# KiCad board cell-sim.kicad_pcb (continued)
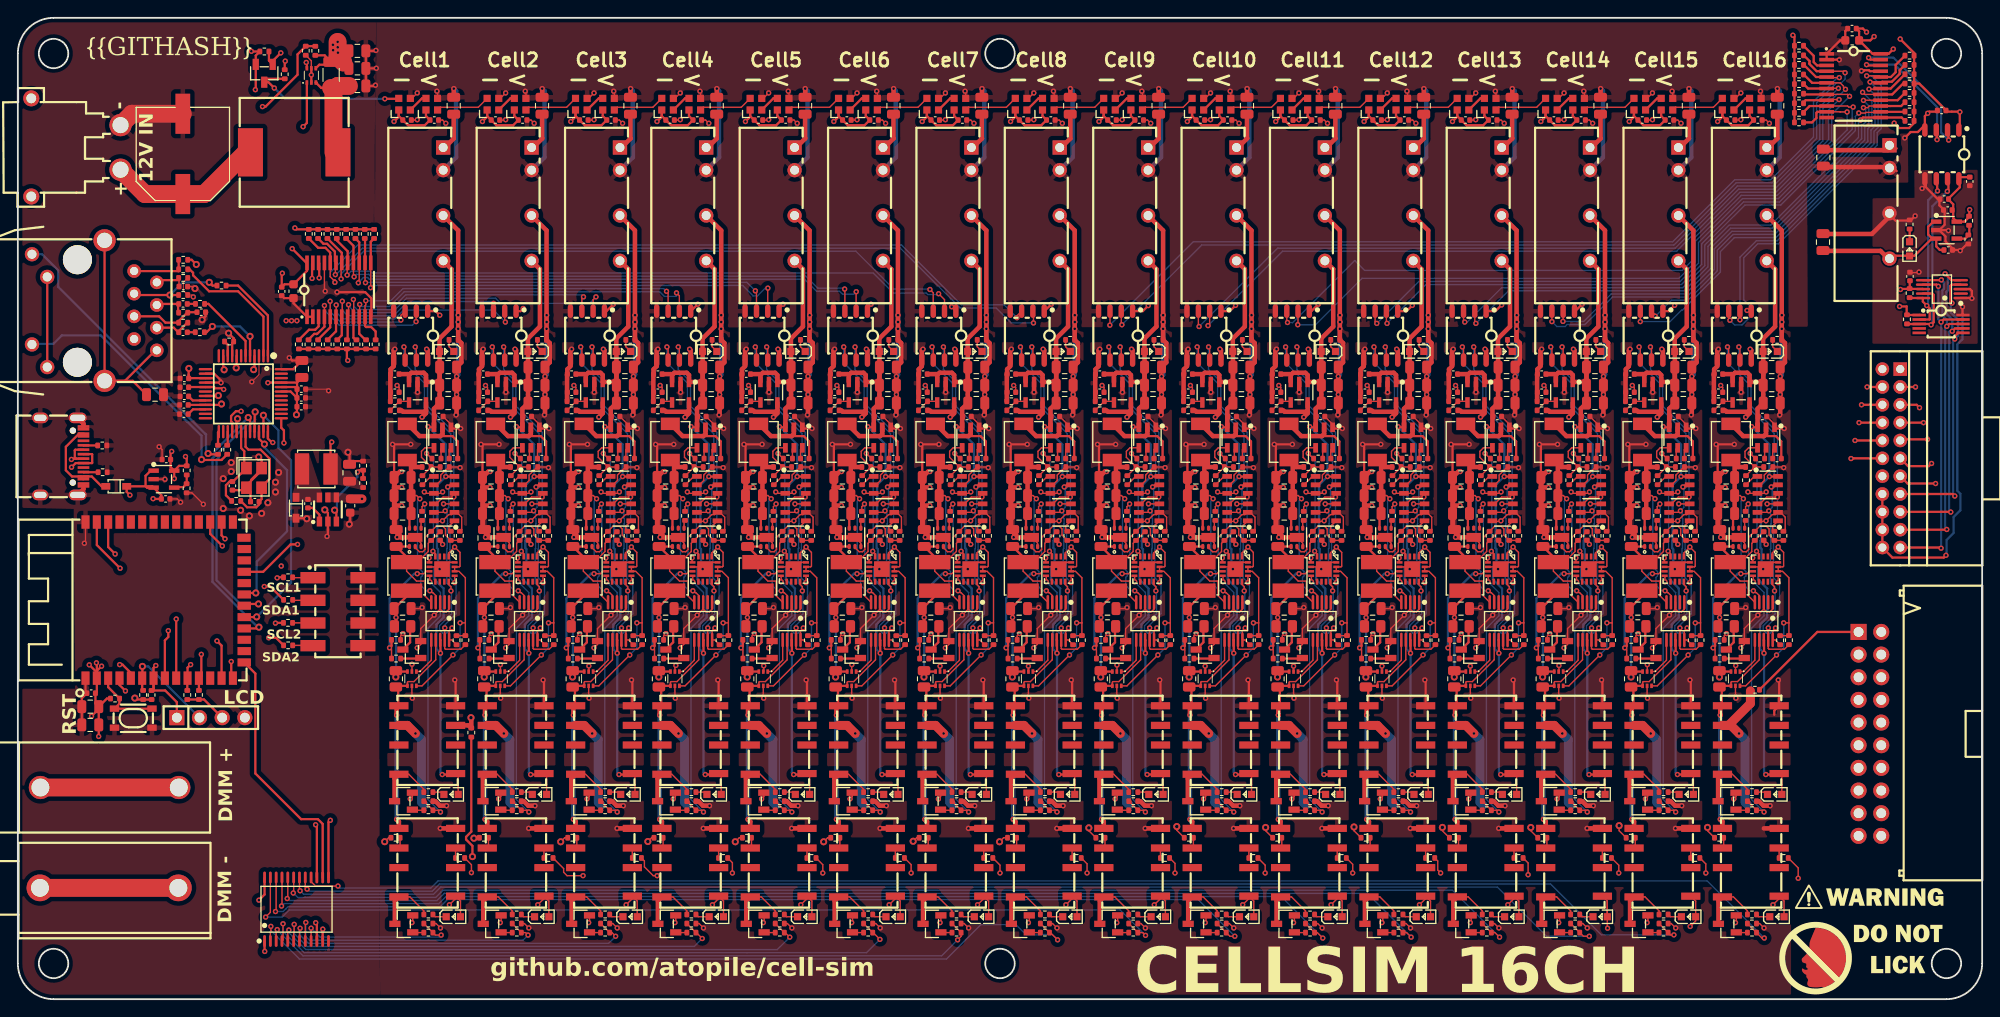
[diagram p0: board, top side]
## Routing (per net, layer and track width the routed paths; a pad name or vN(x,y) marks a point on that pad's centre or on a via; arc(x,y) is an arc through that point) (continued)
POWER_IN_VCC: length 340.9
  Top w0.25: U7.4 33.77,104.75 34.76,104.75 R17.2 ; R17.2 35.09,106.78 v2(35.29,106.98) ; R17.2 34.36,105.79 R18.1 ; 203.06,95.07 210.13,95.07 210.43,95.36
  Top w0.5: U50.1 67.61,95.46 68.62,96.48 68.61,96.49 C73.1 ; U64.1 77.27,95.46 78.28,96.48 78.27,96.49 C89.1 ; C201.1 147.56,96.49 147.57,96.48 146.56,95.46 U162.1 ; U134.1 126.76,95.46 127.78,96.48 127.76,96.49 C169.1 ; C153.1 117.86,96.49 117.88,96.48 116.86,95.46 U120.1 ; C41.1 48.81,96.49 48.83,96.48 47.81,95.46 U22.1 ; C233.1 167.36,96.49 167.37,96.48 166.36,95.46 U190.1 ; C249.1 177.25,96.49 177.27,96.48 176.25,95.46 U204.1 ; 202.42,95.17 209.44,95.17 209.73,95.46 ; U218.1 186.15,95.46 187.17,96.48 187.15,96.49 C265.1 ; C57.1 58.71,96.49 58.73,96.48 57.71,95.46 U36.1 ; C23.1 C22.1 36.23,106.3 v2(35.83,106.7) 35.83,105.81 R17.2 ; C105.1 88.17,96.49 88.18,96.48 87.17,95.46 U78.1 ; C137.1 107.97,96.49 107.98,96.48 106.96,95.46 U106.1 ; U92.1 97.07,95.46 98.08,96.48 98.07,96.49 C121.1 ; U176.1 156.46,95.46 157.47,96.48 157.46,96.49 C217.1 ; U232.1 196.05,95.46 197.07,96.48 197.05,96.49 C281.1 ; U148.1 136.66,95.46 137.68,96.48 137.66,96.49 C185.1
  Top w1: C28.1 v2(38.54,56.08)
  Top w2: v2(35.81,107.3) 35.81,105.63 36.46,104.99
  In2.Cu w0.5: U232.1 197.11,95.46
  In2.Cu w1: v2(38.54,56.08) 28.85,65.77 28.85,68.54 29,68.69 29,72.86 26.88,74.99 26.88,90.97 35.85,99.95 35.85,102.54
  In2.Cu w2: 194,95.46 194.1,95.36 209.62,95.36 209.73,95.46 ; 194,95.46 49.05,95.46 ; 194,95.46 U232.1 ; 49.05,95.46 42.93,95.46 35.85,102.54 35.85,107.27 v2(35.81,107.3) ; 49.05,95.46 U22.1
  vias: v2(35.31,106.37) v2(35.85,106.1)
rct: length 7.9
  Top w0.25: U5.5 15.82,76.54 16.53,75.83 17.95,75.83 17.95,75.94 19.01,77 C8.1
rd_minus: length 4.7
  Top w0.25: 15.59,75.3 U5.6 ; U5.6 17.45,75.27 17.97,74.75 17.97,74.83 18.97,75.83 ; U5.6 15.59,75.24 15.59,74.75
rd_plus: length 3.4
  Top w0.25: U5.4 15.68,77.93 17.97,77.93 17.94,77.9 17.94,76.95
rled_minus: length 29.9
  Top w0.25: R5.2 22.81,60.44 20.62,60.44 v1(20.57,60.48)
  Bottom w0.25: v1(20.57,60.48) 20.57,63.15 19.02,64.7 18.99,64.7 9.29,74.4 4.93,74.4 3.99,73.46 1.65,73.46 U5.11
rxn: length 8.2
  Top w0.25: v1(21.79,75.41) 21.14,74.76 R11.1 ; U4.5 26.01,74.49
  Bottom w0.25: v1(21.79,75.41) 24.9,75.41 v1(26.01,74.3)
rxp: length 8
  Top w0.25: U4.6 25.51,73.77 21.34,77.94 R12.1
tct: length 3.6
  Top w0.15: R10.2 18.05,80.81 C5.1
  Top w0.25: U5.2 15.81,80.6 18.02,80.6
td_minus: length 11
  Top w0.25: 17.97,78.93 v1(17.04,78.93) 13.17,78.93 U5.3 ; v1(21.44,80.36) 21.8,79.99 R7.2
  Bottom w0.25: v1(17.04,78.93) 18.46,80.36 v1(21.44,80.36)
td_plus: length 6
  Top w0.25: U5.1 13.03,81.61 18.01,81.61 18.01,81.61 18.01,82.63
thermistor-gnd: length 74.8
  Top w0.15: 211.89,81.44 212.86,81.44 v2(212.93,81.5)
  Top w0.25: U247.16 U247.22 209.95,49.5 215.7,49.5 v2(215.95,49.75) ; 217.58,78.6 218.8,78.6 v2(218.85,78.55) 218.85,79.39 218.64,79.6 217.58,79.6 ; 215.19,86.2 214.86,86.2 216.18,86.2 v2(216.23,86.15) ; 215.19,86.2 215.8,86.8 215.8,88.4 215.21,88.98 215.21,89.68 215.03,89.68 213.69,91.03 213.69,92.06 213.69,91.28 v2(213.27,90.87) ; 215.19,86.2 215.9,85.5 215.9,84.95 216.68,84.16 216.68,83.98 217.47,83.98 v2(217.55,83.9) 218.32,84.67 218.55,84.67 ; v2(212.5,87.8) 211.98,87.27 210.3,87.27 209.73,87.84 ; 217.95,76.68 217.8,76.83 v2(217.8,77.6)
  Top w0.5: 202.38,85.77 207.66,85.77 209.73,87.84
  Bottom w0.25: v2(217.8,77.6) 217.8,73.98 217.21,73.39 217.21,57.01 217.56,56.66 217.56,54.79 216.8,54.03 216.8,52.25 216.02,51.47 216.02,49.82 v2(215.95,49.75)
thermistor-scl: length 20.1
  Top w0.25: 211.89,78.59 213.36,78.59 213.36,78.6 213.36,78.19 v2(213.8,77.75) 214.12,77.42 214.12,76.21 214.1,76.18 213.05,76.18 ; 214.96,92.06 214.96,90.63 v2(215,90.6)
  Bottom w0.25: v2(215,90.6) 213.95,89.55 213.95,77.9 v2(213.8,77.75)
thermistor-sda: length 24.8
  Top w0.25: 213.36,79.1 214.42,79.1 214.57,78.94 214.57,75.88 v2(214.28,75.59) 214.19,75.68 213.05,75.68 213.04,75.67 211.55,75.67 ; 216.23,92.06 216.23,90.67 v2(216.1,90.55)
  Bottom w0.25: v2(214.28,75.59) 214.43,75.73 214.43,88.87 v2(216.1,90.55)
thermistor-vcc: length 19
  Top w0.25: 209.73,82.76 210.3,83.33 212.44,83.33 214.35,85.25 214.86,85.25 ; 214.86,85.25 214.42,85.25 213.95,85.71 213.95,86.58 214.52,87.15 214.86,87.15 ; 214.86,85.25 214.86,84.38 215.26,83.98 215.72,83.98
  Top w0.5: 209.73,82.76 208.62,83.87 202.38,83.87
thermistor-vcc-1: length 16.3
  Top w0.25: C39.1 217.58,92.14 U18.8 ; v2(210.85,79.55) 210.92,79.61 211.89,79.61 ; v2(210.75,77.65) 210.75,77.65 211.54,77.65 211.54,76.7 211.55,76.69 213.04,76.69 213.05,76.68 ; 211.89,79.61 211.89,79.62 211.89,80.48 ; 211.89,79.61 213.35,79.61 213.36,79.6 ; 217.5,92.06 217.5,91 216.18,89.68 216.76,89.1 216.76,87.55 217.16,87.15 218.03,87.15 218.04,87.16 218.04,87.18 218.56,87.69 218.56,88.46 v2(218.6,88.5)
thermistor.isolated_converter.led.resistor-cathode: length 1.3
  Top w0.25: 211.88,86.25 211.88,84.94 211.88,84.93
thermistor.ldo.feedback_div-out: length 2.6
  Top w0.25: 217.16,85.25 218.11,85.25 218.56,85.7 218.56,86.67
thermistor_1: length 33.2
  Top w0.25: 217.58,80.1 216.6,80.1 216.44,79.94 216.44,78.21 v2(216.62,78.03) ; U247.15 216.71,56.62 v2(216.94,56.4) ; 217.95,74.68 217.31,74.68 217.31,74.68 216.94,74.31 216.94,74.31 v2(216.94,74)
  Bottom w0.25: v2(216.62,78.03) 216.5,77.9 216.5,76.96 217.31,76.15 217.31,74.37 v2(216.94,74) 216.76,73.82 216.76,56.5 216.83,56.5 v2(216.94,56.4)
thermistor_2: length 36.7
  Top w0.25: v2(215.85,81.31) 216.56,80.6 217.58,80.6 ; U247.17 216.46,54.62 v2(216.49,54.6) ; v2(216.65,74.87) 216.96,75.18 217.95,75.18
  Bottom w0.25: v2(215.85,81.31) 216.18,80.98 216.18,79.45 216,79.28 216,76.82 216.65,76.17 v2(216.65,74.87) 216.38,74.87 216.31,74.81 216.31,54.77 v2(216.49,54.6)
thermistor_3: length 37.8
  Top w0.25: 213.36,80.6 215.4,80.6 v2(215.43,80.63) ; 217.95,75.68 216.3,75.68 v2(216.04,75.42) ; U247.19 216.01,52.62 v2(216.04,52.65)
  Bottom w0.25: v2(215.43,80.63) 215.73,80.33 215.73,79.64 215.55,79.47 215.55,76.63 216.04,76.14 v2(216.04,75.42) 215.86,75.24 215.86,52.82 v2(216.04,52.65)
thermistor_4: length 38.6
  Top w0.25: v2(215.4,75.9) 215.68,76.18 217.95,76.18 ; v2(215.1,79.9) 214.9,80.1 213.36,80.1 ; U247.21 215.32,50.62 v2(215.4,50.55)
  Bottom w0.25: v2(215.4,50.55) 215.41,50.56 215.41,75.89 v2(215.4,75.9) 215.1,76.2 v2(215.1,79.9)
tocap: length 2.1
  Top w0.25: C10.1 19.58,67.11 U4.20
txn: length 10.6
  Top w0.25: U4.1 28.01,76.64 24.66,79.99 R7.1
txp: length 15.2
  Top w0.25: U4.2 27.51,76.51 24.67,79.35 21.42,79.35 19.62,81.14 19.62,81.43 19.24,81.81 R6.1
usbc-vcc: length 10.6
  Top w0.25: U3.A9 7.04,58.59 6.07,58.59 5.38,59.28 5.38,61.91 6.85,63.39 U3.A4 ; DS2.2 9.38,57.48 8.28,58.59 U3.B4
xi_slash_clkin: length 9.4
  Top w0.25: R16.1 23.31,56.49 23.31,57.6 23.72,58.02 C18.1 24.09,58.02 U6.1 25.36,59.77 25.36,61.43 25.01,61.78 U4.30
xo: length 13.1
  Top w0.25: U4.31 25.51,61.91 25.82,61.6 27.18,61.6 28.23,60.55 28.23,58.35 27.3,57.43 U6.3 27.3,56.05 C19.1 27.02,55.46 26.69,55.13 25.68,55.13 R16.2

## Copper pours and planes (outline as drawn; the poured copper is in the pictures)
buck.ic-sw on Top: 34.07,56.78 32.61,61.16 31.06,61.16 31.07,57.7 30.79,56.73 30.79,55.76 32.34,55.75 32.68,55.75 33.49,55.69 34.02,55.69
CELL1_3V3_VCC on In1.Cu: 50.31,71.87 50.31,73.65 41.16,73.65 41.36,33.45 50.51,33.45
CELL1_FILTER_POWER_OUT_VCC on Top, Bottom, In2.Cu: 60.21,77.72 58.68,77.72 58.68,73.65 51.06,73.65 51.32,18.13 60.21,18.13
CELL1_GND on Top, Bottom, In2.Cu: 50.31,77.72 48.78,77.72 48.78,73.65 41.16,73.65 41.42,18.13 50.31,18.13
CELL2_3V3_VCC on In1.Cu: 60.21,71.87 60.21,73.65 51.06,73.65 51.26,33.45 60.41,33.45
CELL2_FILTER_POWER_OUT_VCC on Top, Bottom, In2.Cu: 70.11,77.72 68.58,77.72 68.58,73.65 60.96,73.65 61.22,18.13 70.11,18.13
CELL3_3V3_VCC on In1.Cu: 70.11,71.87 70.11,73.65 60.96,73.65 61.16,33.45 70.31,33.45
CELL3_FILTER_POWER_OUT_VCC on Top, Bottom, In2.Cu: 79.77,77.72 78.24,77.72 78.24,73.65 70.62,73.65 70.88,18.13 79.77,18.13
CELL4_3V3_VCC on In1.Cu: 79.77,71.87 79.77,73.65 70.62,73.65 70.82,33.45 79.97,33.45
CELL4_FILTER_POWER_OUT_VCC on Top, Bottom, In2.Cu: 89.66,77.72 88.14,77.72 88.14,73.65 80.52,73.65 80.77,18.13 89.66,18.13
CELL5_3V3_VCC on In1.Cu: 89.66,71.87 89.66,73.65 80.52,73.65 80.72,33.45 89.86,33.45
CELL5_FILTER_POWER_OUT_VCC on Top, Bottom, In2.Cu: 99.56,77.72 98.04,77.72 98.04,73.65 90.42,73.65 90.67,18.13 99.56,18.13
CELL6_3V3_VCC on In1.Cu: 99.56,71.87 99.56,73.65 90.42,73.65 90.62,33.45 99.76,33.45
CELL6_FILTER_POWER_OUT_VCC on Top, Bottom, In2.Cu: 109.46,77.72 107.94,77.72 107.94,73.65 100.32,73.65 100.57,18.13 109.46,18.13
CELL7_3V3_VCC on In1.Cu: 109.46,71.87 109.46,73.65 100.32,73.65 100.52,33.45 109.66,33.45
CELL7_FILTER_POWER_OUT_VCC on Top, Bottom, In2.Cu: 119.36,77.72 117.84,77.72 117.84,73.65 110.22,73.65 110.47,18.13 119.36,18.13
CELL8_3V3_VCC on In1.Cu: 119.36,71.87 119.36,73.65 110.22,73.65 110.42,33.45 119.56,33.45
CELL8_FILTER_POWER_OUT_VCC on Top, Bottom, In2.Cu: 129.26,77.72 127.73,77.72 127.73,73.65 120.11,73.65 120.37,18.13 129.26,18.13
CELL9_3V3_VCC on In1.Cu: 129.26,71.87 129.26,73.65 120.11,73.65 120.31,33.45 129.46,33.45
CELL9_FILTER_POWER_OUT_VCC on Top, Bottom, In2.Cu: 139.16,77.72 137.63,77.72 137.63,73.65 130.01,73.65 130.27,18.13 139.16,18.13
CELL10_3V3_VCC on In1.Cu: 139.16,71.87 139.16,73.65 130.01,73.65 130.21,33.45 139.36,33.45
CELL10_FILTER_POWER_OUT_VCC on Top, Bottom, In2.Cu: 149.06,77.72 147.53,77.72 147.53,73.65 139.91,73.65 140.17,18.13 149.06,18.13
CELL11_3V3_VCC on In1.Cu: 149.06,71.87 149.06,73.65 139.91,73.65 140.11,33.45 149.26,33.45
CELL11_FILTER_POWER_OUT_VCC on Top, Bottom, In2.Cu: 158.95,77.72 157.43,77.72 157.43,73.65 149.81,73.65 150.06,18.13 158.95,18.13
CELL12_3V3_VCC on In1.Cu: 158.95,71.87 158.95,73.65 149.81,73.65 150.01,33.45 159.15,33.45
CELL12_FILTER_POWER_OUT_VCC on Top, Bottom, In2.Cu: 168.85,77.72 167.33,77.72 167.33,73.65 159.71,73.65 159.96,18.13 168.85,18.13
CELL13_3V3_VCC on In1.Cu: 168.85,71.87 168.85,73.65 159.71,73.65 159.91,33.45 169.05,33.45
CELL13_FILTER_POWER_OUT_VCC on Top, Bottom, In2.Cu: 178.75,77.72 177.23,77.72 177.23,73.65 169.61,73.65 169.86,18.13 178.75,18.13
CELL14_3V3_VCC on In1.Cu: 178.75,71.87 178.75,73.65 169.61,73.65 169.81,33.45 178.95,33.45
CELL14_FILTER_POWER_OUT_VCC on Top, Bottom, In2.Cu: 188.65,77.72 187.13,77.72 187.13,73.65 179.51,73.65 179.76,18.13 188.65,18.13
CELL15_3V3_VCC on In1.Cu: 188.65,71.87 188.65,73.65 179.51,73.65 179.71,33.45 188.85,33.45
CELL15_FILTER_POWER_OUT_VCC on Top, Bottom, In2.Cu: 198.55,77.72 197.02,77.72 197.02,73.65 189.4,73.65 189.66,18.13 198.55,18.13
CELL16_3V3_VCC on In1.Cu: 198.55,71.87 198.55,73.65 189.4,73.65 189.6,33.45 198.75,33.45
POWER_3V3_VCC on Bottom: -1.05,111.7 40.35,111.7 40.8,-1.2 -1.5,-0.95
POWER_3V3_VCC on Bottom: 40,111.4 211.52,111.9 211.75,91.37 200.32,91.17 200.05,92 39.4,91.95
POWER_5V_VCC on Top: 36.57,57.54 35.77,57.67 34.22,57.71 34.23,61.18 35.78,61.16 37.69,58.56 37.79,58.47 38.78,57.58 38.87,57.15 38.41,57.11
POWER_5V_VCC on In2.Cu: 40.1,111.4 211.65,111.85 211.7,91.5 200.25,91.35 200.15,92 39.5,91.95
POWER_5V_VCC on In2.Cu: 40.6,-1.55 198.6,-2.2 198.6,12.55 40.45,12.75
POWER_5V_VCC on In2.Cu: -1.1,111.35 40.3,111.35 40.75,-1.55 -1.55,-1.3
POWER_IN_GND on Top, In1.Cu: -1.25,111.35 40.15,111.35 40.6,-1.55 -1.7,-1.3
POWER_IN_GND on Top, In1.Cu: 40.6,-1.55 198.6,-2.2 198.6,12.55 40.45,12.75
POWER_IN_GND on Top, In1.Cu: 40.15,111.35 211.57,111.75 211.73,91.6 200.35,91.55 200.32,75.42 39.73,75.32
POWER_IN_GND on Top, In1.Cu: 40.2,111.3 211.57,111.67 211.73,91.52 200.4,91.5 200.48,75.37 39.88,75.27
POWER_IN_VCC on Top: 35.94,55.71 37.25,55.63 37.5,56.52 35.97,56.8 34.44,56.8 34.45,55.71
thermistor-gnd on Top, In2.Cu: 212.4,92.92 212.43,89.82 207.73,89.77 207.7,73.47 220.3,73.45 220.2,92.97
thermistor-vcc-1 on Bottom, In1.Cu: 212.32,92.9 212.38,89.82 207.68,89.77 207.7,73.47 220.25,73.45 220.12,92.95

Small or netless copper shapes (teardrops, artwork), in the pictures only: 1 on Top

## Text on the board
B.Silkscreen: NTC-GND | BAT- | BAT+ | CELL15 | CELL13 | CELL11 | CELL9 | CELL7 | CELL5 | CELL3 | CELL1 | CELL8 | CELL6 | CELL4 | CELL2 | CELL0 | CELL12 | CELL14 | CELL16 | CELL10 | NTC1 | NTC2 | NTC3 | NTC4
F.Mask: Designed by Narayan Powderly
F.Silkscreen: I | V | Cell1 | Cell2 | Cell3 | Cell4 | Cell5 | Cell6 | Cell7 | Cell8 | Cell9 | Cell10 | Cell11 | Cell12 | Cell13 | Cell14 | Cell15 | Cell16 | SDA1 | SDA2 | SCL1 | SCL2 | LCD | RST | - | + | 12V IN | DMM - | DMM + | {{GITHASH}} | github.com/atopile/cell-sim | CELLSIM 16CH
